# Altium PCB MB V7.PcbDoc (part 3 of 3)
Units mm, origin at the board's own origin, x right, y up, seen from the top; angles counter-clockwise.
Board outline 165.04 x 191.67 mm, 4 copper layers (Top Layer, MID TOP, MID BOTTOM, Bottom Layer), stack 0.603 mm thick; 236 components, 223 nets, 910 pads, 243 vias.
Unrouted connection lines stored in the file: 157.
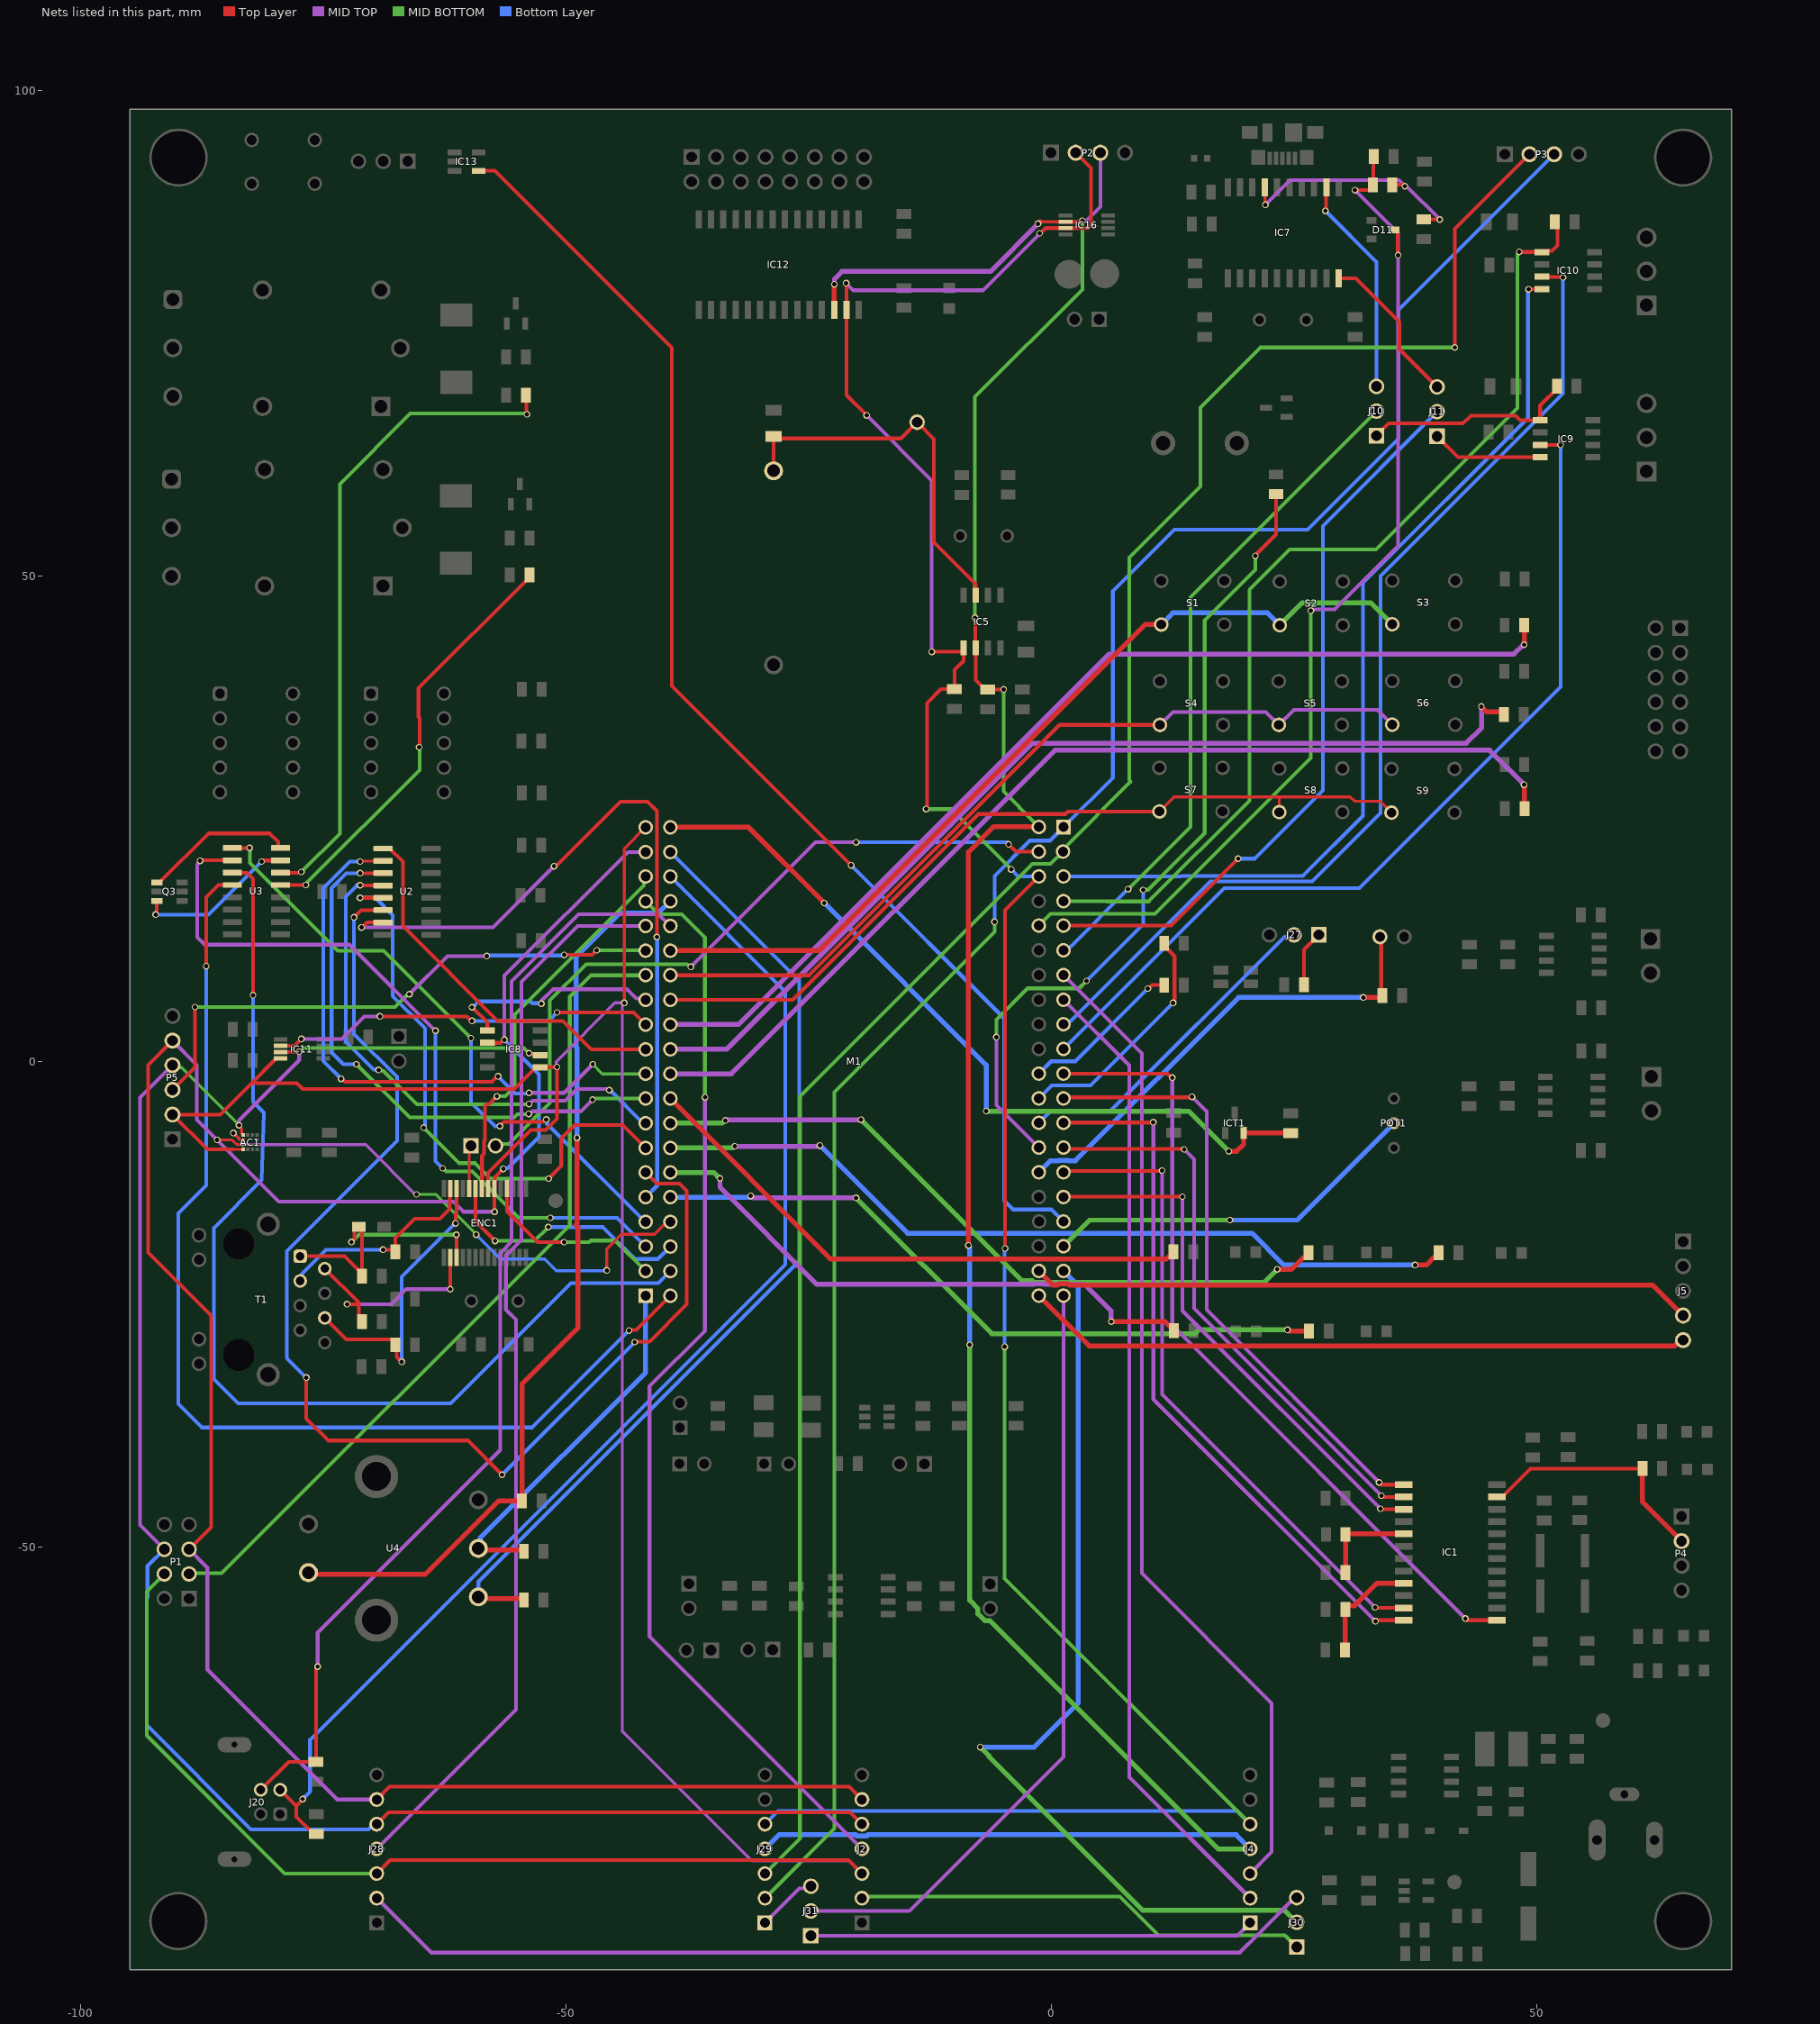
[diagram p5: the nets of this part, all layers, seen from the top]

## Via types
v1: diameter 0.686, hole 0.457, Top Layer to Bottom Layer, 239 vias
v2: diameter 1.27, hole 0.686, Top Layer to Bottom Layer, 4 vias

## Nets (pads, with @x,y where several pads share a name; then routed paths per layer and width w, separated by ;. In a path a pad name is that pad's centre, name@x,y a point inside that pad or via, vN(x,y) a via of type N, cw(c..) or ccw(c..) an arc to the next point about the centre after c; other vN are vias at no path point) (continued)
OUT2B: IC1.23 P4.2 R12.1 | length 25.3
  Top Layer w0.381: IC1.23@45.935,-44.882 46.485,-44.882 49.406,-41.961 R12.1@60.922,-41.961
  Top Layer w0.508: R12.1@60.922,-41.961 60.922,-45.391 P4.2@64.959,-49.428
PGC: J5.5 M1.60 | length 68.8
  Top Layer w0.508: M1.60@-1.27,-24.13 3.912,-29.312 64.243,-29.312 64.827,-28.727 J5.5@65.112,-28.727
PGD: J5.4 M1.59 | length 68.4
  Top Layer w0.508: M1.59@-1.27,-21.59 0.203,-23.063 0.63,-23.063 0.77,-22.923 1.77,-22.923 1.91,-23.063 61.987,-23.063 J5.4@65.112,-26.187
"PORT 1 INT": J4.1 J31.1 | length 45.8
  MID TOP w0.381: J31.1@-24.765,-90.068 19.185,-90.068 J4.1@20.506,-88.748
"PORT 1 RST": J2.2 J30.1 | length 47
  MID BOTTOM w0.381: J2.2@-19.494,-86.208 -19.342,-86.055 7.093,-86.055 11.056,-90.018 24.079,-90.018 J30.1@25.298,-91.237
"PORT 2  RST": J28.2 J30.3 | length 99.5
  MID TOP w0.381: J28.2@-69.494,-86.208 -63.881,-91.821 19.437,-91.821 21.357,-89.901 21.429,-89.901 21.659,-89.671 21.659,-89.599 25.101,-86.157 J30.3@25.298,-86.157
"PORT 2 INT": J29.1 J31.3 | length 6.3
  MID TOP w0.381: J29.1@-29.494,-88.748 -25.968,-85.222 -24.998,-85.222 J31.3@-24.765,-84.988
RA0/SS1: J2.4 M1.4 | length 113
  MID TOP w0.381: v1(-35.674,-3.708) -35.674,-27.762 -41.389,-33.477 -41.389,-59.233 J2.4@-19.494,-81.128
  MID BOTTOM w0.381: M1.4@-41.783,16.485 -40.437,15.138 -38.062,15.138 -35.674,12.751 v1(-35.674,-3.708)
RA1/SCK: AC1.1 ENC1.8 IC8.6 IC11.3 J2.5 J28.5 M1.3 P1.6 P5.4 | length 238.3
  Top Layer w0.305: v1(-83.683,-6.59) -83.683,-6.693 -83.432,-6.943 -83.432,-7.418 -83.297,-7.553 -83.297,-7.559 -83.285,-7.559 AC1.1@-83.262,-7.581
  Top Layer w0.381: IC11.3@-79.391,0.945 -77.528,0.945 v1(-77.483,0.991) ; J28.5@-69.494,-78.588 -68.275,-77.368 -20.714,-77.368 J2.5@-19.494,-78.588 ; ENC1.8@-58.675,-13.106 -58.644,-13.075 -58.644,-9.721 -58.445,-9.522 -58.445,-9.207 -58.445,-8.218 -58.344,-8.116 -58.344,-4.61 -58.106,-4.373 -57.878,-4.373 v1(-57.112,-3.607) ; v1(-53.797,0.836) -53.715,0.836 -53.648,0.77 -52.796,0.77 IC8.6@-52.661,0.635
  MID TOP w0.381: P1.6@-91.376,-50.267 -93.866,-47.777 -93.866,-3.735 P5.4@-90.537,-0.406 ; v1(-83.683,-6.59) -83.663,-6.57 -83.663,-6.078 -77.483,0.102 v1(-77.483,0.991)
  MID BOTTOM w0.305: P5.4@-90.537,-0.406 -90.296,-0.647 -89.574,-0.647 -83.683,-6.538 v1(-83.683,-6.59)
  MID BOTTOM w0.381: v1(-77.483,0.991) -77.4,0.991 -77.019,1.372 -55.286,1.372 ; v1(-57.112,-3.607) -56.261,-3.607 -55.286,-2.631 -55.286,1.372 ; v1(-53.797,0.836) -54.333,1.372 -55.286,1.372 ; M1.3@-41.783,19.025 -41.981,18.827 -41.981,18.116 -55.286,4.811 -55.286,1.372
  Bottom Layer w0.381: P1.6@-91.376,-50.267 -93.116,-52.007 -93.116,-55.255 -93.193,-55.331 -93.193,-68.377 -82.448,-79.121 -70.336,-79.121 -69.803,-78.588 J28.5@-69.494,-78.588
RA2/SDO: AC1.3 ENC1.6 IC8.2 J2.6 J28.6 M1.2 P1.5 P5.5 | length 240.7
  Top Layer w0.305: v1(-85.941,-8.103) -84.385,-8.103 -83.907,-8.581 AC1.3@-83.262,-8.581
  Top Layer w0.381: P5.5@-90.537,2.134 -93.053,-0.382 -93.053,-19.698 -86.556,-26.195 -86.556,-31.681 -86.563,-31.689 -86.563,-47.993 P1.5@-88.836,-50.267 ; J28.6@-69.494,-76.048 -68.174,-74.727 -20.815,-74.727 J2.6@-19.494,-76.048 ; IC8.2@-58.083,1.905 -56.724,1.905 -56.42,2.21 v1(-56.337,2.21) ; ENC1.6@-57.375,-13.119 -57.334,-13.078 -57.334,-11.957 v1(-56.451,-11.074) ; ENC1.6@-57.375,-13.106 -57.375,-15.463 v1(-57.342,-15.496)
  MID TOP w0.381: P5.5@-90.537,2.134 -88.024,-0.38 -88.024,-6.02 v1(-85.941,-8.103) -79.591,-14.453 -61.611,-14.453 -60.568,-15.496 v1(-57.342,-15.496) ; P1.5@-88.836,-50.267 -86.944,-52.159 -86.944,-62.674 -73.571,-76.048 J28.6@-69.494,-76.048 ; v1(-56.337,2.21) -56.337,8.826 -43.599,21.565 M1.2@-41.783,21.565
  Bottom Layer w0.381: v1(-56.451,-11.074) -56.393,-11.016 -55.999,-11.016 -52.781,-7.798 -52.781,-1.346 v1(-56.337,2.21)
RA3/SDI: AC1.4 ENC1.7 IC8.5 IC11.4 J2.3 J28.3 M1.1 P1.4 P5.2 | length 304.4
  Top Layer w0.305: -84.251,-9.081 AC1.4@-83.262,-9.081 ; v1(-43.98,6.02) -43.98,21.908 M1.1@-41.783,24.105
  Top Layer w0.381: -84.251,-9.081 -86.942,-9.081 P5.2@-90.537,-5.486 -85.611,-5.486 -82.359,-2.235 ; IC11.4@-79.391,0.295 -79.866,0.295 -79.938,0.222 -79.938,0.186 -82.359,-2.235 ; J28.3@-69.494,-83.668 -68.108,-82.281 -20.881,-82.281 J2.3@-19.494,-83.668 ; ENC1.7@-58.019,-13.112 -58.019,-11.486 -53.619,-7.087 -52.07,-7.087 -50.914,-5.931 v1(-50.914,-0.584) v1@-50.94,-0.61 ; v1@-51.117,-0.584 -51.143,-0.61 -52.636,-0.61 IC8.5@-52.661,-0.635 -53.1,-0.635 -55.335,-2.87 -77.112,-2.87 -77.747,-2.235 -82.359,-2.235
  MID TOP w0.305: v1(-50.914,-0.584) -50.987,-0.511 -50.987,-0.135 -51.045,-0.078 -44.947,6.02 v1(-43.98,6.02) -43.98,5.917 -44.196,5.701 -44.196,-69.012 -30.836,-82.372 -20.79,-82.372 J2.3@-19.494,-83.668
  MID BOTTOM w0.381: P1.4@-91.376,-52.807 -93.193,-54.623 -93.193,-69.456 -78.981,-83.668 J28.3@-69.494,-83.668
RA5/SS2: J28.4 M1.5 | length 111.7
  Top Layer w0.381: J28.4@-69.71,-81.128 J28.4@-69.494,-81.128
  MID TOP w0.381: J28.4@-69.494,-81.128 -55.156,-66.789 -55.156,-26.607 -56.185,-25.578 -56.185,-20.011 -54.568,-18.395 -54.568,8.179 -48.803,13.945 M1.5@-41.783,13.945
RB0/INT: J31.2 M1.80 | length 80.1
  MID TOP w0.381: J31.2@-24.765,-87.528 -14.612,-87.528 1.27,-71.647 M1.80@1.27,-24.13
RB1/TX3: J29.3 M1.62 P3.2 | length 222.7
  Top Layer w0.381: v1(41.593,73.533) 41.593,85.749 P3.2@49.289,93.445
  MID BOTTOM w0.381: J29.3@-29.494,-83.668 -25.884,-80.057 -25.884,-3.596 -1.944,20.345 -0.052,20.345 M1.62@1.219,21.615 1.219,21.841 8.193,28.815 8.052,28.956 8.052,51.892 15.367,59.207 15.367,67.335 21.565,73.533 v1(41.593,73.533)
RB2/SS3: M1.6 P5.3 | length 58.4
  Top Layer w0.381: P5.3@-90.537,-2.946 -88.227,-0.636 v1(-88.227,5.588) ; v1(-50.178,10.96) -47.295,10.96 v1(-46.825,11.43)
  MID TOP w0.381: v1(-66.129,6.909) -62.192,10.846 v1(-58.153,10.846)
  MID BOTTOM w0.381: v1(-88.227,5.588) -67.602,5.588 -66.281,6.909 v1(-66.129,6.909) ; v1(-46.825,11.43) -46.812,11.417 -41.796,11.417 M1.6@-41.783,11.405
  Bottom Layer w0.381: v1(-58.153,10.846) -58.096,10.903 -50.235,10.903 v1(-50.178,10.96)
RC1: C6.1 IC1.9 R9.2 | length 11.4
  Top Layer w0.508: C6.1@30.29,-60.63 30.302,-60.617 30.302,-56.477 R9.2@30.315,-56.464 30.315,-56.338 30.569,-56.084 31.267,-56.084 33.579,-53.772 IC1.9@36.335,-53.772
RC2: C7.1 IC1.5 R10.2 | length 10
  Top Layer w0.508: R10.2@30.315,-52.68 30.328,-52.667 30.328,-48.755 C7.1@30.34,-48.743 30.391,-48.692 IC1.5@36.335,-48.692
RC2/SS6: IC11.2 M1.9 | length 39.9
  Top Layer w0.381: IC11.2@-79.391,1.595 -77.97,1.595 v1(-77.254,2.311) ; v1(-69.164,4.623) -60.217,4.623 -59.76,4.166 v1(-59.677,4.166) ; v1(-50.914,5.029) -43.028,5.029 M1.9@-41.783,3.785
  MID TOP w0.381: v1(-77.254,2.311) -73.098,2.311 -70.787,4.623 v1(-69.164,4.623)
  Bottom Layer w0.381: v1(-59.677,4.166) -51.905,4.166 -51.759,4.311 -51.632,4.311 v1(-50.914,5.029)
RC3/SCL: IC5.6 IC12.12 IC16.2 J4.4 J29.4 M1.41 P2.3 R36.2 | length 286.8
  Top Layer w0.305: v1@-1.113,86.482 IC16.2@1.483,86.482
  Top Layer w0.381: v1(-7.849,45.695) -7.807,45.653 -7.807,42.619 IC5.6@-7.766,42.577 -7.766,39.287 -6.782,38.303 R36.2@-6.528,38.303 v1(-4.889,38.303) ; IC16.2@1.483,86.482 3.024,86.482 3.131,86.589 v1(3.213,86.589)
  Top Layer w0.508: IC12.12@-22.352,77.392 -22.352,79.921 -22.339,79.934 v1(-22.339,80.035) ; v1(-8.522,-18.974) -8.522,21.565 -5.905,24.181 -1.321,24.181 M1.41@-1.27,24.13 ; v1(-1.359,86.284) -1.311,86.284 v1@-1.113,86.482
  MID TOP w0.381: v1(3.213,86.589) 3.221,86.596 3.627,86.596 5.067,88.036 P2.3@5.067,93.598
  MID TOP w0.508: v1(-22.339,80.035) -22.339,80.582 -21.565,81.356 -6.261,81.356 -1.359,86.258 v1(-1.359,86.284)
  MID BOTTOM w0.381: v1(-7.849,45.695) -7.849,68.453 3.213,79.515 v1(3.213,86.589) ; v1(-4.889,38.303) -4.889,27.821 -3.262,26.194 -3.262,26.122 M1.41@-1.27,24.13
  MID BOTTOM w0.508: v1(-8.395,-29.21) -8.395,-55.537 -7.544,-56.388 -7.544,-56.909 -6.807,-57.645 -6.287,-57.645 17.196,-81.128 J4.4@20.506,-81.128
  Bottom Layer w0.508: J29.4@-29.494,-81.128 -28.047,-79.68 -20.124,-79.68 -19.999,-79.805 -18.99,-79.805 -18.865,-79.68 19.058,-79.68 J4.4@20.506,-81.128 ; v1(-8.522,-18.974) -8.395,-19.101 v1(-8.395,-29.21) ; M1.41@-1.295,24.155 M1.41@-1.27,24.13
RC4/SDA: IC5.5 IC12.13 IC16.3 J4.5 J29.5 M1.43 P2.2 R35.2 | length 275.6
  Top Layer w0.381: v1(-21.12,80.162) -21.101,80.143 -21.101,77.411 IC12.13@-21.082,77.392 -21.082,68.618 v1(-19.012,66.548) ; v1(-12.89,25.984) -12.789,26.086 -12.789,36.906 -11.366,38.329 R35.2@-9.957,38.329 -9.957,40.322 -9.036,41.244 IC5.5@-9.036,42.324 ; v1(-12.306,42.189) -9.17,42.189 IC5.5@-9.036,42.324 ; IC5.5@-9.036,42.577 IC5.5@-9.036,42.324 ; v1(-4.737,-19.279) -4.737,-14.824 -4.762,-14.798 -4.762,15.558 M1.43@-1.27,19.05 ; v1(-1.181,85.293) -1.099,85.293 -0.56,85.832 3.79,85.832 4.102,86.144 4.102,92.023 P2.2@2.527,93.598
  MID TOP w0.381: v1(-21.12,80.162) -20.383,79.426 -7.023,79.426 -1.181,85.268 v1(-1.181,85.293) ; v1(-19.012,66.548) -12.306,59.842 v1(-12.306,42.189)
  MID BOTTOM w0.381: v1(-12.89,25.984) -10.325,25.984 v1(-4.117,19.776) ; v1(-4.788,-29.413) -4.788,-53.294 J4.5@20.506,-78.588
  Bottom Layer w0.381: J29.5@-29.494,-78.588 -28.148,-77.241 19.159,-77.241 J4.5@20.506,-78.588 ; v1(-4.788,-29.413) -4.788,-19.329 v1(-4.737,-19.279) ; v1(-4.117,19.776) -3.391,19.05 M1.43@-1.27,19.05
RC6/SS4: M1.7 P1.3 | length 86.4
  MID BOTTOM w0.381: P1.3@-88.836,-52.807 -88.756,-52.726 -85.466,-52.726 -49.593,-16.853 -49.593,6.68 -47.409,8.865 M1.7@-41.783,8.865
RC7/SS5: IC8.1 M1.8 | length 22.5
  Top Layer w0.381: v1(-59.677,5.563) -59.652,5.563 -58.083,3.994 IC8.1@-58.083,3.175
  MID TOP w0.381: v1(-52.533,5.937) -52.475,5.995 -52.475,6.281 -51.34,7.417 -43.701,7.417 -42.749,6.465 -41.924,6.465 M1.8@-41.783,6.325
  Bottom Layer w0.381: v1(-59.677,5.563) -59.603,5.563 -58.994,6.172 -53.638,6.172 -53.448,5.982 -52.578,5.982 v1(-52.533,5.937)
RD0/PWMOUT01: IC1.13 M1.71 | length 82.9
  Top Layer w0.381: M1.71@1.27,-1.27 11.995,-1.27 12.402,-1.676 v1(12.484,-1.676) ; v1(42.685,-57.404) 42.863,-57.582 IC1.13@45.935,-57.582
  MID TOP w0.381: v1(12.484,-1.676) 12.484,-27.203 v1(42.685,-57.404)
RD1/PWMOUT11: IC1.12 M1.73 | length 73.1
  Top Layer w0.381: M1.73@1.27,-6.35 1.308,-6.312 10.49,-6.312 v1(10.528,-6.274) ; v1(33.414,-57.683) 33.515,-57.582 IC1.12@36.335,-57.582
  MID TOP w0.381: v1(10.528,-6.274) 10.528,-34.798 v1(33.414,-57.683)
RD2/Phase1: IC1.11 M1.75 | length 67.3
  Top Layer w0.381: M1.75@1.27,-11.43 1.389,-11.311 11.372,-11.311 v1(11.43,-11.252) ; v1(33.363,-56.261) 33.414,-56.312 IC1.11@36.335,-56.312
  MID TOP w0.381: v1(11.43,-11.252) 11.43,-34.328 v1(33.363,-56.261)
RD3/Phase2: IC1.3 M1.76 | length 55.3
  Top Layer w0.381: M1.76@1.27,-13.97 1.283,-13.957 13.513,-13.957 v1(13.526,-13.945) ; v1(33.922,-46.101) 33.973,-46.152 IC1.3@36.335,-46.152
  MID TOP w0.381: v1(13.526,-13.945) 13.526,-25.705 v1(33.922,-46.101)
RD4/WDT: IC13.4 M1.77 | length 136.5
  Top Layer w0.381: IC13.4@-58.973,91.735 -57.325,91.735 -39.083,73.493 -39.083,38.664 v1(-20.603,20.184)
  Bottom Layer w0.381: v1(-20.603,20.184) -4.826,4.407 -4.826,-14.376 -3.937,-15.265 0.025,-15.265 M1.77@1.27,-16.51
RD5/ADC: M1.78 POT1.2 | length 39.3
  MID BOTTOM w0.508: M1.78@1.27,-19.05 3.962,-16.358 v1(18.402,-16.358)
  Bottom Layer w0.508: v1(18.402,-16.358) 25.337,-16.358 POT1.2@35.319,-6.375
RD6/RX3: J29.2 M1.61 P3.3 | length 222.6
  MID BOTTOM w0.381: J29.2@-29.494,-86.208 -22.339,-79.052 -22.339,-3.175 -5.829,13.335 v1(-5.829,14.376)
  Bottom Layer w0.381: v1(-5.829,14.376) -5.829,19.105 -2.201,22.734 -0.126,22.734 M1.61@1.27,24.13 6.36,29.22 6.36,48.447 12.689,54.777 26.431,54.777 35.801,64.148 35.801,77.418 P3.3@51.829,93.445
RE0/SS8: AC1.2 M1.37 | length 55.6
  Top Layer w0.305: v1(-84.264,-7.391) -83.595,-8.061 -83.282,-8.061 AC1.2@-83.262,-8.081 ; v1(-45.783,-21.539) -45.783,-19.329 -44.285,-17.831 -40.856,-17.831 -39.56,-16.535 M1.37@-39.243,-16.535
  MID TOP w0.305: v1(-84.264,-7.391) -83.071,-8.585 -70.625,-8.585 -65.494,-13.716 v1(-65.392,-13.716)
  MID BOTTOM w0.305: v1(-65.392,-13.716) -63.36,-13.716 -59.245,-17.831 v1(-59.245,-17.856)
  Bottom Layer w0.305: v1(-59.245,-17.856) -56.729,-20.373 -52.195,-20.373 -51.004,-21.565 -45.809,-21.565 v1(-45.783,-21.539)
RE1/SS7: ENC1.9 M1.38 | length 26.8
  Top Layer w0.381: ENC1.9@-59.325,-13.106 -59.325,-16.481 v1(-57.3,-18.506)
  MID BOTTOM w0.381: v1(-57.3,-18.506) -53.245,-18.506 v1(-51.818,-17.079)
  Bottom Layer w0.381: v1(-51.818,-17.079) -46.179,-17.079 -42.888,-20.371 -40.538,-20.371 M1.38@-39.243,-19.075
RE2/RX1: IC10.4 M1.63 | length 96.2
  Top Layer w0.381: v1(49.187,79.527) 49.2,79.54 50.578,79.54 IC10.4@50.591,79.553
  Bottom Layer w0.381: M1.63@1.27,19.05 13.363,19.05 13.414,19.101 25.933,19.101 32.118,25.286 32.118,49.276 49.136,66.294 49.136,79.477 v1(49.187,79.527)
RE3/TX1: IC10.1 M1.64 R42.2 | length 103.5
  Top Layer w0.381: v1(48.235,83.388) 48.247,83.376 50.527,83.376 50.635,83.483 51.606,83.483 52.172,84.049 52.172,86.195 R42.2@51.905,86.462
  MID BOTTOM w0.381: M1.64@1.27,16.51 5.747,16.51 5.785,16.472 10.066,16.472 20.434,26.84 20.434,48.578 24.587,52.73 33.465,52.73 48.031,67.297 48.031,83.103 48.235,83.306 v1(48.235,83.388)
RE4/TX2: J10.2 M1.66 | length 69.1
  MID BOTTOM w0.381: v1(7.925,17.729) 7.938,17.729 14.35,24.142 14.35,47.815 J10.2@33.515,66.98
  Bottom Layer w0.381: M1.66@1.27,11.43 1.573,11.43 1.948,11.806 2.001,11.806 v1(7.925,17.729)
RE5/TX4: J4.3 M1.67 | length 102.4
  MID TOP w0.381: M1.67@1.27,8.89 9.335,0.825 9.335,-52.749 22.72,-66.135 22.72,-81.453 J4.3@20.506,-83.668
RE6/RX4: J4.2 M1.68 | length 100.5
  MID TOP w0.381: M1.68@1.27,6.35 8.039,-0.419 8.039,-73.741 J4.2@20.506,-86.208
RE7/DIR2: IC10.3 M1.69 | length 106.8
  Top Layer w0.381: IC10.3@50.591,80.823 50.629,80.785 52.705,80.785 v1(52.743,80.747)
  Bottom Layer w0.381: M1.69@1.27,3.81 1.573,3.81 1.91,4.148 2.039,4.148 16.408,18.517 26.873,18.517 33.922,25.566 33.922,49.975 52.743,68.796 v1(52.743,80.747)
Relay/Out1: R1.2 U3.13 | length 44.2
  Top Layer w0.381: U3.13@-79.415,18.161 v1(-76.797,18.161) ; v1(-65.126,32.36) -65.087,32.398 -65.087,35.379 -65.189,35.481 -65.189,38.418 -53.746,49.86 R1.2@-53.746,50.114
  MID BOTTOM w0.381: v1(-76.797,18.161) -76.797,18.288 -65.087,29.997 -65.087,32.322 v1(-65.126,32.36)
Relay/Out2: R3.2 U3.14 | length 68.1
  Top Layer w0.381: U3.14@-79.415,19.431 -77.33,19.431 v1(-77.254,19.507) ; R3.2@-54.127,68.631 -54.07,68.574 -54.07,66.707 v1(-54.013,66.65)
  MID BOTTOM w0.381: v1(-77.254,19.507) -73.3,23.461 -73.3,59.466 -66.04,66.726 -54.115,66.726 -54.038,66.65 v1(-54.013,66.65)
RESET: ENC1.10 J14.1 | length 4.5
  Top Layer w0.305: ENC1.10@-59.969,-13.112 -59.969,-8.889 J14.1@-59.792,-8.712
"RF2/ROTARY 2": M1.22 R55.1 U4.A1 | length 100.9
  Top Layer w0.508: U4.A1@-59.083,-55.334 -54.47,-55.334 R55.1@-54.331,-55.474
  Bottom Layer w0.381: U4.A1@-59.083,-55.334 -59.013,-55.264 -59.013,-53.597 -25.971,-20.555 -25.971,8.293 M1.22@-39.243,21.565
RF3/D-: J20.2 M1.23 R58.2 | length 127.8
  Top Layer w0.381: J20.2@-79.436,-75.052 -77.77,-76.718 ; v1(-77.127,-75.997) -77.127,-76.076 -77.77,-76.718 ; R58.2@-75.73,-79.604 -75.984,-79.604 -77.77,-77.818 -77.77,-76.718
  Bottom Layer w0.381: v1(-77.127,-75.997) -76.365,-75.235 -76.365,-69.901 -27.394,-20.93 -27.394,7.175 M1.23@-39.243,19.025
RF4/D+: J20.3 M1.25 R59.1 | length 115.4
  Top Layer w0.381: J20.3@-81.436,-75.052 -78.546,-72.161 R59.1@-75.755,-72.161 -75.755,-62.535 v1(-75.578,-62.357)
  MID TOP w0.381: v1(-75.578,-62.357) -75.578,-58.852 -56.769,-40.043 -56.769,-19.77 -55.601,-18.601 -55.601,8.242 -48.679,15.164 -40.462,15.164 M1.25@-39.243,13.945
RF5/KEY1: M1.26 S1.2 S2.2 S3.2 | length 91.2
  Top Layer w0.508: M1.26@-39.243,11.405 -23.901,11.405 9.688,44.994 S1.2@11.342,44.994
  MID BOTTOM w0.508: S2.2@23.56,44.918 25.873,47.231 32.93,47.231 S3.2@35.142,45.019
  Bottom Layer w0.508: S1.2@11.342,44.994 12.55,46.201 22.276,46.201 S2.2@23.56,44.918
RF6/KEY2: M1.27 S4.2 S5.2 S6.2 | length 87.5
  Top Layer w0.381: M1.27@-39.243,8.865 -24.918,8.865 0.874,34.656 S4.2@11.215,34.656
  MID TOP w0.381: S4.2@11.215,34.656 12.551,35.992 22.123,35.992 S5.2@23.458,34.656 25.022,36.22 33.603,36.22 S6.2@35.142,34.682
RF7/KEY3: M1.28 S7.2 S8.2 S9.2 | length 85.5
  Top Layer w0.305: S7.2@11.165,25.741 12.653,27.229 23.597,27.229 ; S8.2@23.355,25.818 S8.2@23.509,25.665 23.509,27.141 23.597,27.229 ; S9.2@35.066,25.614 33.884,26.796 31.252,26.796 30.819,27.229 23.597,27.229
  Top Layer w0.381: M1.28@-39.243,6.325 -26.632,6.325 -7.487,25.47 1.445,25.47 1.716,25.741 S7.2@11.165,25.741
RG0/LED5: M1.36 RG6.2 | length 71.9
  Top Layer w0.508: v1(24.346,-27.661) 24.473,-27.788 RG6.2@26.556,-27.788
  MID TOP w0.508: v1(-30.95,-13.868) -30.747,-14.072 v1(-20.104,-14.072)
  MID BOTTOM w0.508: v1(-20.104,-14.072) -6.121,-28.054 14.813,-28.054 15.207,-27.661 v1(24.346,-27.661)
  Bottom Layer w0.508: M1.36@-39.243,-13.995 -31.125,-13.995 -30.998,-13.868 v1(-30.95,-13.868)
RG1/LED4: M1.35 RG5.2 | length 60.1
  Top Layer w0.508: v1(6.198,-26.822) 11.748,-26.822 12.154,-27.229 12.408,-27.229 12.662,-27.483 RG5.2@12.662,-27.737
  MID TOP w0.508: v1(-34.125,-12.065) -34.125,-12.979 -24.131,-22.974 -1.821,-22.974 -1.77,-22.923 -0.77,-22.923 -0.719,-22.974 0.719,-22.974 0.77,-22.923 1.77,-22.923 1.821,-22.974 3.441,-22.974 6.185,-25.717 6.185,-26.81 v1(6.198,-26.822)
  MID BOTTOM w0.508: M1.35@-39.243,-11.455 -34.783,-11.455 -34.173,-12.065 v1(-34.125,-12.065)
RG2/LED3: M1.34 RG4.2 | length 85.1
  Top Layer w0.508: v1(37.503,-20.98) 38.672,-20.98 39.434,-20.218 39.688,-20.218 39.942,-19.964 RG4.2@39.942,-19.71
  MID TOP w0.508: v1(-32.611,-8.75) -23.975,-8.75 -23.886,-8.661 v1(-23.838,-8.661)
  MID BOTTOM w0.508: M1.34@-39.243,-8.915 -32.824,-8.915 -32.659,-8.75 v1(-32.611,-8.75)
  Bottom Layer w0.508: v1(-23.838,-8.661) -14.795,-17.704 -1.758,-17.704 -1.745,-17.717 1.77,-17.717 1.783,-17.704 20.707,-17.704 23.983,-20.98 v1(37.503,-20.98)
RG3/LED2: M1.33 RG3.2 | length 74.3
  Top Layer w0.508: v1(23.294,-21.423) 24.617,-21.423 24.653,-21.387 24.829,-21.387 25.997,-20.218 26.251,-20.218 26.505,-19.964 RG3.2@26.505,-19.71
  MID TOP w0.508: v1(-33.566,-6.096) -33.49,-6.02 v1(-19.596,-6.02)
  MID BOTTOM w0.508: M1.33@-39.243,-6.375 -33.894,-6.375 -33.614,-6.096 v1(-33.566,-6.096) ; v1(-19.596,-6.02) -3.01,-22.606 -1.961,-22.606 -1.77,-22.797 21.92,-22.797 v1(23.294,-21.423)
RG4/KEY6: M1.31 R14.1 | length 105.8
  Top Layer w0.508: v1(48.73,28.499) 48.755,28.473 48.755,26.035 R14.1@48.781,26.01
  MID TOP w0.508: M1.31@-39.243,-1.295 -32.949,-1.295 0.401,32.055 45.174,32.055 v1(48.73,28.499)
RG6/PWMOUT02: IC1.1 M1.72 | length 63.7
  Top Layer w0.381: M1.72@1.27,-3.81 1.364,-3.716 14.458,-3.716 v1(14.516,-3.658) ; v1(33.795,-43.383) 34.023,-43.612 IC1.1@36.335,-43.612
  MID TOP w0.381: v1(14.516,-3.658) 16.015,-5.156 16.015,-25.603 v1(33.795,-43.383)
RG7/RX2: J11.2 M1.65 | length 76.4
  Top Layer w0.381: M1.65@1.27,13.97 12.357,13.97 v1(19.266,20.879)
  Bottom Layer w0.381: v1(19.266,20.879) 20.98,20.879 27.991,27.889 27.991,55.156 J11.2@39.764,66.929
RGB: J27.1 RW1.1 | length 5.8
  Top Layer w0.381: RW1.1@26.048,7.874 26.048,11.506 J27.1@27.572,13.03
"RH0/RGB G": M1.51 RG1.1 | length 16.7
  Top Layer w0.381: v1(9.97,7.493) 10.052,7.493 10.408,7.849 RG1.1@11.646,7.849
  Bottom Layer w0.381: M1.51@-1.27,-1.27 0,0 2.477,0 v1(9.97,7.493)
RH1/BUZZER: M1.54 RB2.1 | length 84.5
  Top Layer w0.381: v1(21.044,52.07) 21.044,52.146 23.178,54.28 RB2.1@23.178,58.42
  MID TOP w0.381: v1(-5.651,2.489) -5.651,-4.509 M1.54@-1.27,-8.89
  MID BOTTOM w0.381: v1(-5.651,2.489) -5.651,4.28 -2.419,7.512 2.877,7.512 v1(3.645,8.28) ; v1(9.474,17.653) 9.498,17.677 9.981,17.677 12.92,20.616 15.824,23.52 15.824,45.428 21.044,50.648 v1(21.044,52.07)
  Bottom Layer w0.381: v1(3.645,8.28) 9.474,14.11 v1(9.474,17.653)
RH2/RELAY2: M1.40 U3.4 | length 113.9
  Top Layer w0.381: v1(-87.058,9.804) -87.058,16.916 -85.814,18.161 U3.4@-84.365,18.161 ; v1(-43.497,-27.737) -43.439,-27.678 -42.766,-27.678 M1.40@-39.243,-24.155
  Bottom Layer w0.381: v1(-87.058,9.804) -87.058,-12.776 -89.954,-15.672 -89.954,-35.285 -87.52,-37.719 -53.48,-37.719 v1(-43.497,-27.737)
RH3/RELAY1: M1.39 U3.3 | length 110.2
  Top Layer w0.381: U3.3@-84.365,19.431 -82.867,19.431 -82.232,18.796 v1(-82.232,6.807)
  Bottom Layer w0.381: v1(-82.232,6.807) -82.232,-4.166 -81.247,-5.151 -81.135,-5.263 -81.135,-5.426 -81.34,-12.226 ccw(c-80.959,-12.238) -81.34,-12.229 -86.284,-17.173 -86.284,-32.728 -83.756,-35.255 -61.865,-35.255 -49.47,-22.86 -40.488,-22.86 M1.39@-39.243,-21.615
RH4/SEG4: M1.13 U2.4 | length 54.6
  Top Layer w0.381: v1(-71.209,18.136) -71.196,18.123 -68.858,18.123 U2.4@-68.845,18.11
  MID TOP w0.381: v1(-53.797,-4.394) -53.752,-4.394 -53.422,-4.064 -50.073,-4.064 -48.854,-2.845 -45.656,-2.845 v1(-45.529,-2.972)
  MID BOTTOM w0.381: v1(-69.304,-0.889) -69.245,-0.947 -68.852,-0.947 -65.354,-4.445 -53.848,-4.445 v1(-53.797,-4.394)
  Bottom Layer w0.381: -71.564,18.136 -71.564,18.053 -72.669,16.948 -72.669,2.019 -69.798,-0.852 -69.341,-0.852 v1(-69.304,-0.889) ; v1(-45.529,-2.972) -45.447,-2.972 -42.043,-6.375 M1.13@-41.783,-6.375
RH5/SEG3: M1.12 U2.3 | length 58.4
  Top Layer w0.381: v1(-71.209,19.38) U2.3@-68.845,19.38
  MID TOP w0.381: v1(-53.831,-5.418) -53.749,-5.418 -53.487,-5.156 -48.45,-5.156 v1(-47.257,-3.962)
  MID BOTTOM w0.381: v1(-71.59,-0.305) -66.103,-5.791 -55.332,-5.791 -54.991,-5.45 -53.864,-5.45 v1(-53.831,-5.418) ; v1(-47.257,-3.962) -47.13,-3.835 M1.12@-41.783,-3.835
  Bottom Layer w0.381: -71.666,19.38 -72.618,19.38 -74.143,17.855 -74.143,0.902 -72.936,-0.305 v1(-71.59,-0.305)
RH6/SEG2: M1.11 U2.2 | length 61.8
  Top Layer w0.305: v1(-71.209,20.574) -71.171,20.612 -68.883,20.612 U2.2@-68.845,20.65
  Top Layer w0.381: v1(-73.165,-1.803) -73.094,-1.803 -72.789,-2.108 -57.626,-2.108 -57.067,-1.549 v1(-56.985,-1.549)
  MID TOP w0.381: v1(-53.797,-3.251) -50.178,-3.251 v1(-47.231,-0.305)
  MID BOTTOM w0.305: v1(-47.231,-0.305) -46.241,-1.295 M1.11@-41.783,-1.295
  Bottom Layer w0.381: v1(-73.165,-1.803) -75.006,0.038 -75.006,17.818 -72.25,20.574 v1(-71.209,20.574) ; v1(-56.985,-1.549) -55.225,-3.31 -53.856,-3.31 v1(-53.797,-3.251)
"RH7/TEMP PIN": Ct2.1 ICT1.2 M1.21 | length 82
  Top Layer w0.508: M1.21@-39.243,24.105 -31.178,24.105 v1(-23.381,16.307) ; v1(18.301,-9.271) 19.114,-9.271 19.835,-8.55 ICT1.2@19.835,-7.4 19.839,-7.396 24.697,-7.396 Ct2.1@24.702,-7.391
  MID BOTTOM w0.508: v1(-6.693,-5.131) 14.161,-5.131 v1(18.301,-9.271)
  Bottom Layer w0.508: v1(-23.381,16.307) -6.693,-0.381 v1(-6.693,-5.131)
RJ1/LDR: M1.55 R60.1 U5.1 | length 49.1
  Top Layer w0.381: U5.1@33.886,12.827 34.005,12.707 34.005,6.876 R60.1@34.125,6.756
  Top Layer w0.508: v1(32.169,6.579) 33.947,6.579 R60.1@34.125,6.756
  Bottom Layer w0.508: M1.55@-1.27,-11.43 -0.076,-10.236 0.757,-10.236 0.77,-10.223 1.77,-10.223 1.783,-10.236 2.502,-10.236 19.317,6.579 v1(32.169,6.579)
"RJ2/JUMP/RGB/ACC INT": J27.2 M1.53 | length 34.3
  Bottom Layer w0.381: M1.53@-1.27,-6.35 -0.025,-5.105 6.109,-5.105 24.049,12.835 24.837,12.835 J27.2@25.032,13.03
RJ3/RGB-R: M1.52 RR1.1 | length 24.5
  Top Layer w0.381: RR1.1@11.646,12.141 11.646,11.887 12.713,10.82 12.713,6.255 12.56,6.102 v1(12.56,6.02)
  Bottom Layer w0.381: M1.52@-1.27,-3.81 0.051,-2.489 4.051,-2.489 v1(12.56,6.02)
"RJ4/SEG CON": M1.17 U3.1 | length 64.1
  Top Layer w0.381: U3.1@-84.365,21.971 -84.357,21.979 -82.601,21.979 v1(-82.593,21.987) ; v1(-56.794,-6.68) -56.374,-6.26 -52.368,-6.26 -52.102,-5.994 v1(-52.02,-5.994)
  MID BOTTOM w0.381: v1(-82.593,21.987) -82.563,21.956 -82.563,20.442 -73.51,11.39 -68.781,11.39 v1(-59.779,2.388)
  Bottom Layer w0.381: v1(-59.779,2.388) -59.779,-4.229 -57.328,-6.68 v1(-56.794,-6.68) ; v1(-52.02,-5.994) -51.961,-6.053 -51.961,-6.415 -41.841,-16.535 M1.17@-41.783,-16.535
"RJ5/SEG CON": M1.18 U3.2 | length 78.6
  Top Layer w0.381: v1(-87.693,20.65) -87.592,20.65 -87.541,20.701 U3.2@-84.365,20.701
  MID TOP w0.381: v1(-87.693,20.65) -87.693,20.568 -87.973,20.288 -87.973,12.796 -87.191,12.014 -72.301,12.014 v1(-63.436,3.15)
  MID BOTTOM w0.381: v1(-62.7,-11.024) -62.654,-11.024 -62.324,-11.354 -59.626,-11.354 -54.851,-16.129 v1(-51.6,-16.129)
  Bottom Layer w0.381: v1(-63.436,3.15) -63.436,-10.287 v1(-62.7,-11.024) ; v1(-51.6,-16.129) -44.729,-16.129 M1.18@-41.783,-19.075
"RJ6/ INT LAN": ENC1.4 M1.19 | length 19.3
  Top Layer w0.381: ENC1.4@-56.069,-13.112 -56.069,-15.47 -52.906,-18.633 v1(-50.188,-18.633)
  MID BOTTOM w0.381: v1(-50.188,-18.633) -47.603,-18.633 -47.436,-18.466 -44.933,-18.466 M1.19@-41.783,-21.615
RJ7/ROTARY1: M1.20 R57.1 U4.B1 | length 38.2
  Top Layer w0.508: U4.B1@-59.083,-50.334 -54.466,-50.334 R57.1@-54.331,-50.47
  Bottom Layer w0.508: U4.B1@-59.083,-50.334 -58.846,-50.097 -58.846,-49.131 -41.783,-32.068 M1.20@-41.783,-24.155
RK0/SEG1: M1.10 U2.1 | length 39.5
  Top Layer w0.381: U2.1@-68.845,21.92 -68.16,21.92 -66.802,20.562 -66.802,13.932 -57.036,4.166 -50.33,4.166 -47.409,1.245 M1.10@-41.783,1.245
RK0/SEG7: M1.16 U2.7 | length 78.9
  Top Layer w0.381: v1(-71.069,13.792) -70.987,13.792 -70.479,14.3 U2.7@-68.845,14.3 ; v1(-51.219,20.091) -51.016,20.091 -44.361,26.746 -41.58,26.746 -40.627,25.794 v1(-40.627,12.802)
  MID TOP w0.381: v1(-71.069,13.792) -57.518,13.792 v1(-51.219,20.091)
  Bottom Layer w0.381: M1.16@-41.783,-13.995 -40.595,-12.807 -40.595,12.769 v1(-40.627,12.802)
"RK1/RESET LAN": J14.2 M1.42 | length 75.7
  Top Layer w0.381: v1(-4.381,22.352) -3.619,21.59 M1.42@-1.27,21.59
  MID TOP w0.381: v1(-37.122,9.728) -24.295,22.555 v1(-20.104,22.555)
  MID BOTTOM w0.381: J14.2@-57.252,-8.712 -57.052,-8.512 -55.88,-8.512 -53.268,-5.9 -53.268,-5.897 -51.651,-4.279 -51.651,6.274 -47.916,10.008 -37.485,10.008 -37.204,9.728 v1(-37.122,9.728)
  Bottom Layer w0.381: v1(-20.104,22.555) -4.585,22.555 v1(-4.381,22.352)
RK2/VUSB: D11.3 M1.45 R37.2 R39.1 | length 108.6
  Top Layer w0.381: v1(31.306,89.738) 32.817,89.738 33.134,90.056 R37.2@33.134,90.297 33.185,90.348 33.185,93.167 R39.1@33.236,93.218 ; D11.3@35.401,85.649 35.533,85.649 35.692,85.489 35.692,83.091 v1(35.751,83.033)
  MID TOP w0.381: v1(26.759,46.431) 26.886,46.558 29.197,46.558 35.751,53.111 v1(35.751,83.033) 35.751,85.293 v1(31.306,89.738)
  MID BOTTOM w0.381: M1.45@-1.27,13.97 -0.051,15.189 10.693,15.189 26.759,31.255 v1(26.759,46.431)
"RK6/RST HEADER": J30.2 M1.79 | length 97.2
  MID BOTTOM w0.508: v1(-7.302,-70.65) -6.424,-71.528 -6.424,-71.622 9.432,-87.478 24.079,-87.478 J30.2@25.298,-88.697
  Bottom Layer w0.508: v1(-7.302,-70.65) -1.753,-70.65 2.769,-66.129 2.769,-23.089 M1.79@1.27,-21.59
RK7/PWMOUT12: IC1.2 M1.74 | length 59
  Top Layer w0.381: M1.74@1.27,-8.89 1.389,-9.009 13.645,-9.009 v1(13.703,-9.068) ; v1(34.023,-44.755) 34.15,-44.882 IC1.2@36.335,-44.882
  MID TOP w0.381: v1(13.703,-9.068) 14.719,-10.084 14.719,-25.451 v1(34.023,-44.755)
RL0/DIR1: IC9.3 M1.70 | length 93.7
  Top Layer w0.381: IC9.3@50.388,63.5 v1(52.489,63.5)
  Bottom Layer w0.381: M1.70@1.27,1.27 17.831,17.831 31.775,17.831 52.515,38.57 52.515,63.475 v1(52.489,63.5)
RL1/LED1: M1.32 RG2.2 | length 59.2
  Top Layer w0.508: M1.32@-39.243,-3.835 -22.708,-20.371 11.875,-20.371 12.103,-20.142 12.357,-20.142 12.611,-19.888 RG2.2@12.611,-19.634
RL2/KEY5: M1.30 R13.1 | length 102.2
  Top Layer w0.508: v1(44.336,36.551) 44.895,35.992 46.419,35.992 R13.1@46.673,35.738
  MID TOP w0.508: M1.30@-39.243,1.245 -33.452,1.245 -1.93,32.766 42.774,32.766 44.336,34.328 v1(44.336,36.551)
RL3/KEY4: M1.29 R15.1 | length 106.2
  Top Layer w0.508: v1(48.745,42.911) 48.75,42.917 48.75,44.927 R15.1@48.755,44.933
  MID TOP w0.508: M1.29@-39.243,3.785 -32.206,3.785 5.97,41.961 47.689,41.961 48.639,42.911 v1(48.745,42.911)
"RL4/ROTARY 3": M1.24 R56.1 U4.D1 | length 95.8
  Top Layer w0.508: U4.D1@-76.583,-52.834 -64.48,-52.834 -56.934,-45.288 R56.1@-54.534,-45.288 -54.534,-33.223 -48.781,-27.47 -48.781,-17.031 -48.958,-16.853 -48.857,-16.752 v1(-48.857,-7.874)
  Bottom Layer w0.508: v1(-48.857,-7.874) -48.857,1.396 -48.958,1.497 -48.958,10.719 -44.412,15.265 -40.462,15.265 M1.24@-39.243,16.485
RL5/SEG5: M1.14 U2.5 | length 60
  Top Layer w0.381: v1(-71.209,16.84) U2.5@-68.845,16.84 ; v1(-51.778,-12.09) -50.481,-10.794 -50.481,-7.949 -49.085,-6.553 -44.145,-6.553 M1.14@-41.783,-8.915
  MID BOTTOM w0.381: v1(-64.656,-6.833) -60.998,-10.49 -59.372,-10.49 -57.772,-12.09 v1(-51.778,-12.09)
  Bottom Layer w0.381: v1@-71.412,16.84 v1(-71.209,16.84) -69.621,16.84 -67.843,15.062 -67.843,6.723 -64.529,3.408 -64.529,-6.706 v1(-64.656,-6.833)
RL6/SEG6: M1.15 U2.6 | length 127.9
  Top Layer w0.381: v1(-76.746,-32.588) -76.746,-36.805 -74.485,-39.065 -60.109,-39.065 v1(-56.578,-42.596) ; v1(-71.831,14.834) -71.095,15.57 U2.6@-68.845,15.57 ; v1(-42.913,-28.931) -42.855,-28.872 -41.382,-28.872 -37.554,-25.044 -37.554,-13.348 -38.295,-12.606 -40.632,-12.606 M1.15@-41.783,-11.455
  Bottom Layer w0.381: v1(-76.746,-32.588) -78.753,-30.582 -78.753,-19.558 -67.399,-8.204 -67.399,-1.616 -71.831,2.816 v1(-71.831,14.834) ; v1(-56.578,-42.596) v1(-42.913,-28.931)
RS485/RX2: IC9.4 J11.1 | length 11.5
  Top Layer w0.381: J11.1@39.764,64.389 41.923,62.23 IC9.4@50.388,62.23
RS485/TX2: IC9.1 J10.1 R40.2 | length 22.2
  Top Layer w0.381: J10.1@33.515,64.44 34.785,65.71 42.44,65.71 43.252,66.523 47.841,66.523 48.324,66.04 IC9.1@50.388,66.04 50.388,67.571 52.108,69.291 R40.2@52.108,69.545
TPIN+: ENC1.13 R47.2 T1.3 | length 21.9
  Top Layer w0.381: v1(-68.847,-19.406) -67.767,-19.406 R47.2@-67.564,-19.609 -67.564,-19.456 -67.564,-18.199 -65.57,-16.205 -62.979,-16.205 -61.953,-15.179 -61.953,-13.147 ENC1.13@-61.919,-13.112
  Bottom Layer w0.381: T1.3@-77.381,-22.626 -77.186,-22.431 -77.186,-21.865 -74.727,-19.406 v1(-68.847,-19.406)
TPIN-: ENC1.12 R48.1 T1.6 | length 30.8
  Top Layer w0.381: T1.6@-74.841,-26.436 -72.639,-28.639 -67.907,-28.639 -67.589,-28.956 R48.1@-67.589,-29.21 -67.42,-29.38 -67.42,-30.459 v1(-66.916,-30.963) ; v1(-61.375,-16.689) -61.375,-15.69 -61.269,-15.584 ENC1.12@-61.269,-13.112
  Bottom Layer w0.381: v1(-66.916,-30.963) -66.916,-22.2 -61.405,-16.689 v1(-61.375,-16.689)
TPOUT+: ENC1.17 FB2.2 R44.2 T1.1 | length 27.6
  Top Layer w0.381: T1.1@-77.381,-20.086 -72.827,-20.086 -71.018,-21.895 -71.018,-17.353 FB2.2@-71.328,-17.043 -71.493,-17.043 -71.803,-17.353 -71.803,-17.815 -71.812,-17.824 -71.812,-18.25 -72.098,-18.536 v1(-72.098,-18.618) ; v1(-61.286,-17.865) -61.269,-17.882 ENC1.17@-61.269,-20.212
  MID BOTTOM w0.381: v1(-72.098,-18.618) -71.344,-17.865 v1(-61.286,-17.865)
TPOUT-: ENC1.16 R45.1 T1.2 | length 22.9
  Top Layer w0.381: T1.2@-74.841,-21.356 -71.336,-24.861 ; v1(-72.555,-25.019) -71.493,-25.019 -71.336,-24.861 ; R45.1@-71.018,-26.822 -71.336,-26.505 -71.336,-24.861 ; v1(-61.919,-23.476) ENC1.16@-61.919,-20.212
  MID TOP w0.381: v1(-72.555,-25.019) -68.012,-25.019 -66.469,-23.476 v1(-61.919,-23.476)
ULN1: Q3.1 U3.16 | length 15.8
  Top Layer w0.381: Q3.1@-92.156,18.425 -91.881,18.425 -86.836,23.47 -80.505,23.47 -79.655,22.619 -79.655,22.08 -79.545,21.971 U3.16@-79.415,21.971
ULN2: Q3.3 U3.15 | length 16.6
  Top Layer w0.381: v1(-92.265,15.113) -92.156,15.223 Q3.3@-92.156,16.525 ; v1(-81.356,20.574) -81.274,20.574 -81.159,20.688 -79.427,20.688 U3.15@-79.415,20.701
  Bottom Layer w0.381: v1(-92.265,15.113) -86.817,15.113 v1(-81.356,20.574)
USB/RX2: IC7.10 J11.3 | length 16.4
  Top Layer w0.381: IC7.10@29.629,80.669 31.383,80.669 35.883,76.169 35.883,73.35 J11.3@39.764,69.469
USB/TX2: IC7.12 J10.3 | length 22.7
  Top Layer w0.381: v1(28.258,87.605) 28.308,87.655 28.308,89.968 IC7.12@28.359,90.019
  Bottom Layer w0.381: v1(28.258,87.605) 33.515,82.347 J10.3@33.515,69.52
VBAT: BT1.1 IC5.3 J8.1 SuperCap1.1 | length 39.4
  Top Layer w0.381: BT1.1@-28.6,60.831 SuperCap1.1@-28.6,64.36 -28.401,64.16 -15.494,64.16 J8.1@-13.818,65.837 -12.078,64.097 -12.078,53.48 -7.766,49.168 IC5.3@-7.766,47.999
VBUS: C26.1 IC7.17 R37.1 | length 25.6
  Top Layer w0.305: IC7.17@22.009,90.019 22.041,89.987 22.041,88.259 v1(22.073,88.227)
  Top Layer w0.381: R37.1@35.166,90.297 36.227,90.297 36.379,90.145 v1(36.449,90.145) ; C26.1@38.392,86.741 39.916,86.741 39.942,86.716 v1(40.043,86.716)
  MID TOP w0.381: v1(22.073,88.227) 24.6,90.754 35.839,90.754 v1(36.449,90.145) 36.531,90.227 v1(40.043,86.716)
pads on no net: AC1.11 D11.2 DS1.6 DS2.6 ENC1.5 IC6.4 IC6.MP1 IC6.MP2 IC6.MP3 IC6.MP4 IC6.MP5 IC6.MP6 IC7.5 IC7.6 IC7.7 IC7.8 IC7.9 IC7.11 IC7.13 IC7.14 IC7.15 IC7.16 IC12.11 IC12.14 IC12.19 IC12.20 IC14.5 IC15.5 M1.46 S1.3 S1.4 S2.3 S2.4 S3.3 S3.4 S4.3 S4.4 S5.3 S5.4 S6.3 S6.4 S7.3 S7.4 S8.3 S8.4 S9.3 S9.4 S12.2 S12.3 T1.5 T1.7 T1.10 T1.MH1 T1.MH2 T1.Shell U2.8 U3.5 U3.6 U3.7 U3.8 U3.10 U3.11 U3.12 U4.MH1 U4.MH2

## Silkscreen, mask and mechanical layers (free items; w line width, h text height)
Top Overlay:
  drawing of 199 lines, arcs and shapes, not listed
  text "WWDT" at -57.086,95.352 h2
  text "RESET" at -57.112,93.418 h2
  text "I2C HEADER" at -1.214,90.76 h2
  text "UART HEADER" at 44.607,90.497 h2
  text "RELAY MODULE" at -65.913,83.436 h2
  text "USB TO" at 33.636,79.956 h2
  text "UART" at 34.571,77.949 h2
  text "I2C GPIO EXTENDER" at -41.589,77.528 h2 r90
  text "DIGITAL POT" at 9.456,75.781 h2 r90
  text "RTC SECTION" at -8.121,66.621 h2
  text "BUZZER" at 28.007,60.099 h2 r90
  text "RS-485" at 33.609,57.883 h2
  text "5V" at 59.618,44.162 h1.54
  text "SEVEN SEGMENT" at -69.514,41.602 h2
  text "5V" at 59.567,41.495 h1.54
  text "5V" at 59.567,38.93 h1.54
  text "3.3V" at 58.434,36.339 h1.54
  text "3.3V" at 58.459,33.799 h1.54
  text "3.3V" at 58.409,31.386 h1.54
  text "3.3V AND 5V HEADER" at 57.483,28.135 h2 r90
  text "MATRIX KEYPAD 3X3" at 21.011,21.434 h2
  text "CAN SECTION" at 40.799,3.527 h2
  text "RGB" at 17.393,3.426 h2
  text "LDR" at 33.48,2.997 h2
  text "TEMPERATURE" at 12.629,-1.832 h2
  text "DAC SPI" at -80.635,-3.051 h2
  text "SPI FLASH" at -60.358,-3.381 h2
  text "HEADER" at -88.176,-5.779 h2 r90
  text "SENSOR" at 15.667,-11.484 h2
  text "SPI" at -92.851,-11.662 h2
  text "ACCELEROMETER" at -86.144,-11.763 h2
  text "GENERAL LEDS" at 40.079,-28.146 h2
  text "DEBUGGER" at 63.364,-28.23 h2 r90
  text "LAN SECTION" at -65.178,-33.811 h2
  text "STEPPER MOTOR" at 27.104,-37.697 h2
  text "LCD DISPALY HEADER" at -83.709,-42.957 h2 r270
  text "CURRENT SENSOR" at -15.142,-44.682 h2
  text "OUT1B" at 59.469,-47.329 h1.54
  text "OUT2B" at 59.368,-49.97 h1.54
  text "OUT1A" at 59.356,-52.409 h1.54
  text "OUT2A" at 59.356,-55.101 h1.54
  text "EA" at 21.527,-60.887 h19 r90
  text "NON INVERTING AMPLIFIER" at -20.732,-63.173 h2
  text "ROTARY ENCODER" at -66.296,-63.376 h2
  text "COMPITABLE USB" at -91.247,-68.659 h2
  text "ESP32/MCHP/GSM AND GPRS HEADET - 2" at -67.053,-69.091 h2
  text "ESP32/MCHP/GSM AND GPRS HEADET - 1" at -17.253,-69.396 h2
  text "POWER SUPPLY" at 55.892,-70.361 h2
  text "GND" at -67.584,-73.973 h1.52
  text "GND" at -17.571,-74.024 h1.52
  text "12V" at -33.981,-74.096 h1.52
  text "12V" at 15.981,-74.122 h1.52
  text "RA2/SDO" at -67.31,-76.488 h1.52
  text "RA2/SDO" at -17.297,-76.539 h1.52
  text "3.3V" at -34.216,-76.645 h1.52
  text "3.3V" at 15.746,-76.67 h1.52
  text "RA1/SCK" at -67.31,-79.112 h1.52
  text "RC4/SDA" at -37.349,-79.142 h1.52
  text "RA1/SCK" at -17.297,-79.163 h1.52
  text "RC4/SDA" at 12.613,-79.168 h1.52
  text "RA5/SS2" at -67.31,-81.881 h1.52
  text "RC3/SCL" at -37.249,-81.911 h1.52
  text "RA0/SS1" at -17.297,-81.932 h1.52
  text "RC3/SCL" at 12.713,-81.936 h1.52
  text "RA3/SDI" at -67.31,-84.218 h1.52
  text "RB1/TX3" at -37.129,-84.248 h1.52
  text "RA3/SDI" at -17.297,-84.268 h1.52
  text "RE5/TX4" at 12.835,-84.273 h1.52
  text "PORT 2 INT" at -22.388,-86.42 h1 r90
  text "PORT 2 RESET" at -67.31,-86.529 h1.52
  text "RD6/RX3" at -37.242,-86.559 h1.52
  text "PORT 1 RESET" at -17.297,-86.58 h1.52
  text "RE6/RX4" at 12.76,-86.584 h1.52
  text "PORT 2 RST" at 27.599,-87.324 h1 r90
  text "PORT 2 INT" at -38.913,-89.01 h1.52
  text "GND" at -67.584,-89.069 h1.52
  text "GND" at -17.571,-89.12 h1.52
  text "PORT 1 INT" at 11.125,-89.188 h1.52
  text "RB0/INT" at -26.503,-89.249 h1 r90
  text "RK6/RST" at 23.509,-90.49 h1 r90
  text "PORT 1 INT" at -22.261,-92.313 h1 r90
  text "PORT 1 RST" at 27.675,-93.318 h1 r90
Bottom Overlay:
  text "GBA7" at -18.628,98.067 h1.54 r90
  text "GPB6" at -21.143,98.042 h1.54 r90
  text "GPB3" at -29.042,98.016 h1.54 r90
  text "GPB5" at -23.81,98.02 h1.54 r90
  text "GPB0" at -36.441,97.984 h1.54 r90
  text "GPB2" at -31.557,97.986 h1.54 r90
  text "GPB4" at -26.324,97.989 h1.54 r90
  text "GPB1" at -33.926,97.916 h1.54 r90
  text "GND" at 8.06,97.597 h1.54 r90
  text "GND" at 54.898,97.419 h1.54 r90
  text "SDA" at 3.031,97.347 h1.54 r90
  text "SCL" at 5.469,97.246 h1.54 r90
  text "RX3" at 52.307,97.013 h1.54 r90
  text "TX3" at 49.869,96.873 h1.54 r90
  text "5V" at 0.491,96.186 h1.54 r90
  text "5V" at 47.176,96.033 h1.54 r90
  text "GPA6" at -34.104,89.629 h1.54 r90
  text "GPA7" at -36.644,89.604 h1.54 r90
  text "GPA5" at -31.462,89.607 h1.54 r90
  text "GPA4" at -28.897,89.602 h1.54 r90
  text "GPA0" at -18.737,89.602 h1.54 r90
  text "GPA3" at -26.331,89.578 h1.54 r90
  text "GPA2" at -23.842,89.548 h1.54 r90
  text "GPA1" at -21.226,89.559 h1.54 r90
  text "A" at 63.703,84.43 h1.52
  text "B" at 63.602,80.823 h1.52
  text "GND" at 65.583,77.335 h1.52
  text "A" at 63.627,67.361 h1.52
  text "B" at 63.525,63.754 h1.52
  text "GND" at 65.659,60.291 h1.52
  text "GND" at 68.793,44.213 h1.54
  text "GND" at 68.768,41.47 h1.54
  text "GND" at 68.742,39.006 h1.54
  text "GND" at 68.768,36.441 h1.54
  text "GND" at 68.768,33.977 h1.54
  text "GND" at 68.819,31.386 h1.54
  text "CAN H" at 67.331,12.26 h1.54
  text "CAN L" at 67.274,8.805 h1.54
  text "GND" at -91.516,4.106 h1.52
  text "SDO" at -91.567,1.643 h1.52
  text "SCK" at -91.542,-0.948 h1.52
  text "CAN H" at 67.636,-2.091 h1.54
  text "SS3" at -91.542,-3.463 h1.52
  text "CAN L" at 67.579,-5.546 h1.54
  text "SDI" at -91.516,-6.003 h1.52
  text "5V" at -91.516,-8.67 h1.52
  text "MCLR" at 63.867,-19.058 h1.54
  text "3V3_MCU" at 63.952,-21.596 h1.54
  text "GND" at 63.891,-24.215 h1.54
  text "PGD" at 63.734,-26.78 h1.54
  text "PGC" at 63.668,-29.218 h1.54
  text "GND" at -85.966,-47.97 h1
  text "GND" at -92.342,-48.02 h1
  text "SDO" at -85.992,-50.56 h1
  text "SCK" at -92.342,-50.631 h1
  text "SDI" at -92.419,-53.196 h1
  text "SS4" at -86.169,-53.177 h1
  text "12V" at -86.22,-55.753 h1
  text "3.3V" at -92.443,-55.767 h1

## Text inside footprints (layer, text, board x,y; h text height)
22: Top Overlay "+" at 11.392,65.456 h1.52
C11: Top Overlay "+" at 48.687,-90.874 h1.22 r270
J1: Top Overlay "11" at 65.351,29.008 h1.02 r90; Top Overlay "12" at 62.751,29.008 h1.02 r90; Top Overlay "2" at 62.751,45.958 h1.02 r90; Top Overlay "1" at 65.351,45.958 h1.02 r90
J2: Top Overlay "7" at -21.194,-73.818 h1.02 r90; Top Overlay "1" at -21.194,-88.938 h1.02 r90
J4: Top Overlay "7" at 22.454,-73.635 h1.02; Top Overlay "1" at 20.752,-91.389 h1.02
J5: Top Overlay "5" at 65.682,-30.567 h1.02 r90
J15: Top Overlay "16" at -16.359,91.085 h1.02 r180; Top Overlay "15" at -16.359,93.685 h1.02 r180; Top Overlay "2" at -38.389,91.085 h1.02 r180; Top Overlay "1" at -38.389,93.685 h1.02 r180
J28: Top Overlay "7" at -71.194,-73.818 h1.02 r90; Top Overlay "1" at -71.194,-88.938 h1.02 r90
J29: Top Overlay "1" at -27.534,-88.925 h1.02; Top Overlay "7" at -27.483,-73.685 h1.02
P1: Top Overlay "8" at -90.906,-46.467 h1.02 r90; Top Overlay "7" at -88.366,-46.467 h1.02 r90; Top Overlay "2" at -90.846,-57.207 h1.02 r90; Top Overlay "1" at -88.306,-56.907 h1.02 r90
P5: Top Overlay "6" at -91.107,6.514 h1.02 r270